# KiCad board CPU.kicad_pcb (continued)
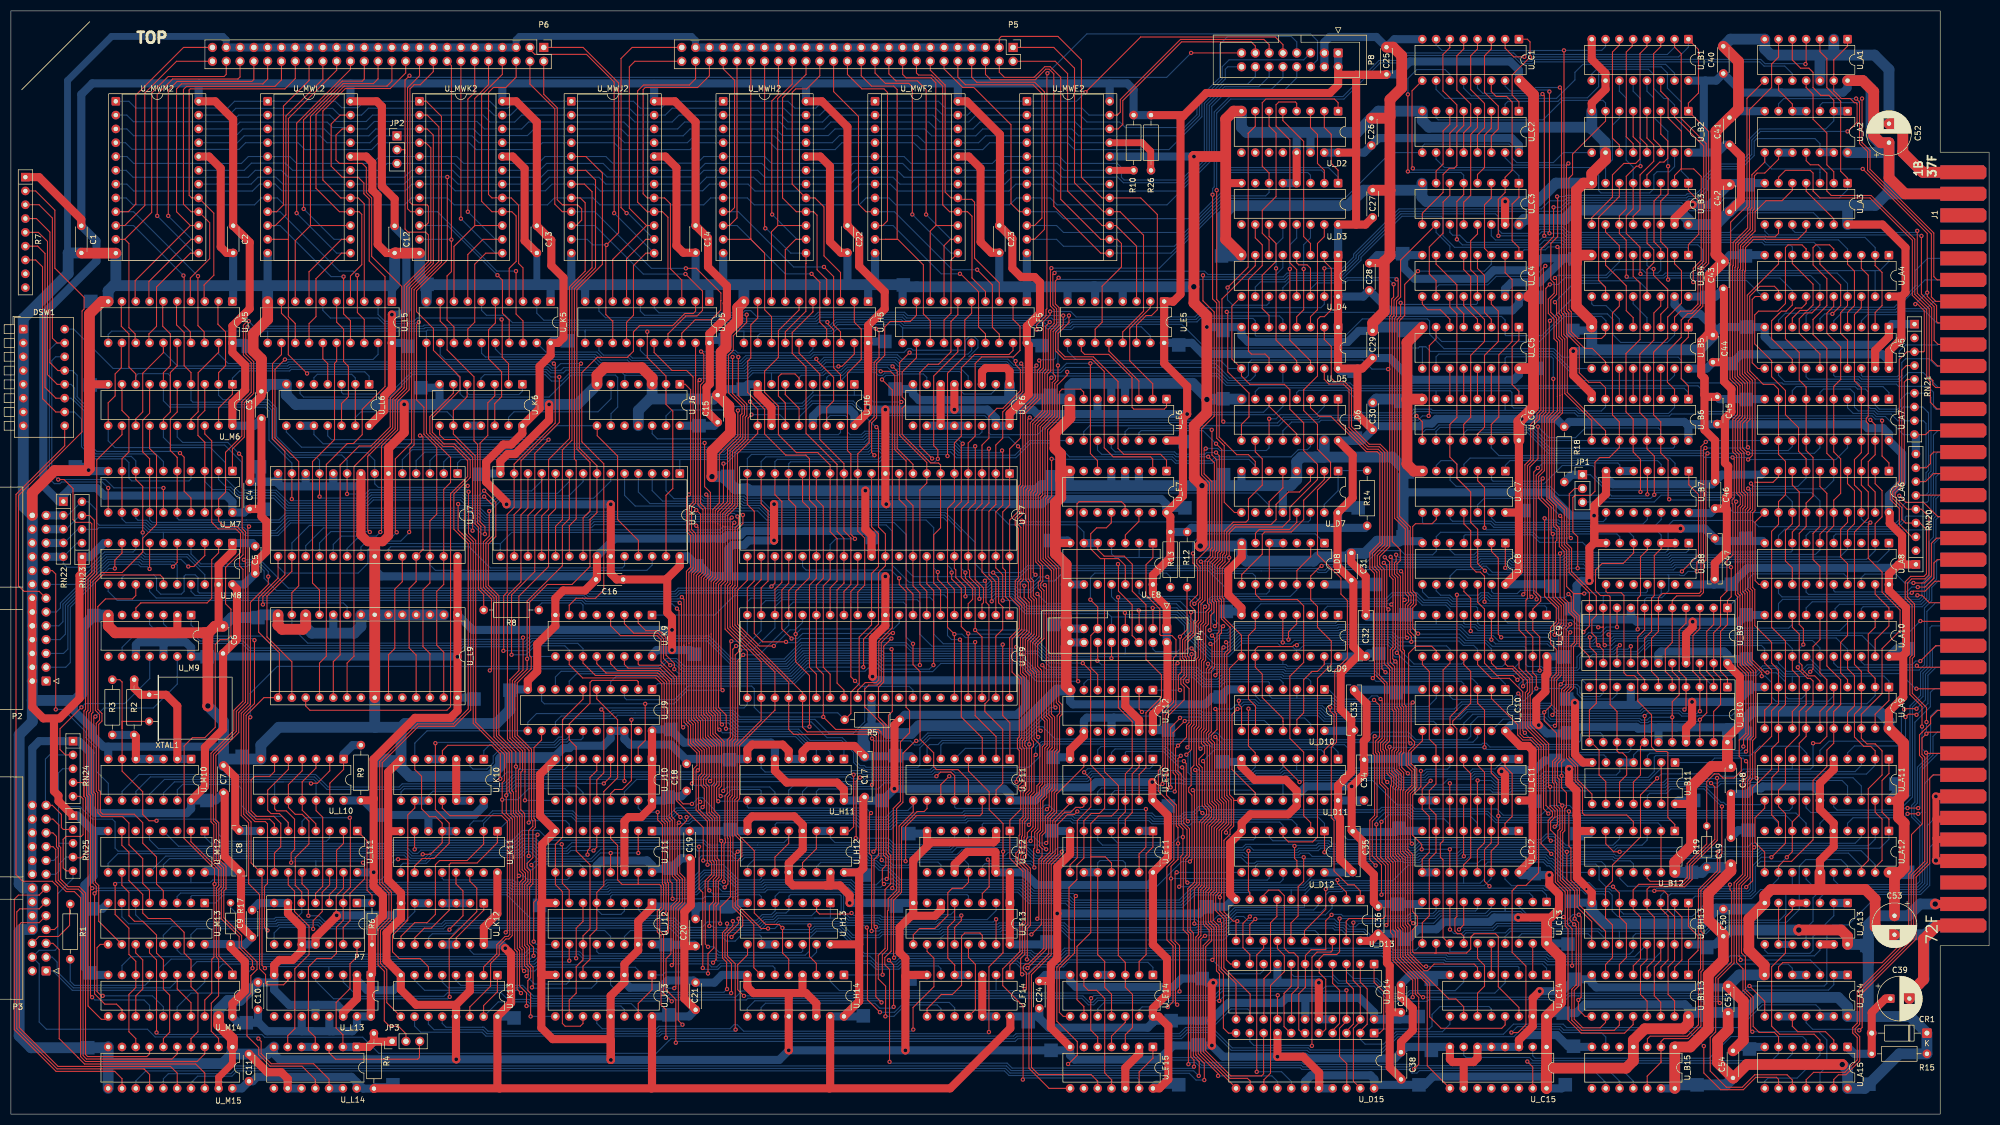
[diagram p0: board, top side]
## Routing (per net, layer and track width the routed paths; a pad name or vN(x,y) marks a point on that pad's centre or on a via; arc(x,y) is an arc through that point) (continued)
FP.RTI: length 53
  Top w0.2: v1(12.98,74.85) 9.04,70.91 9.04,67.09 10.04,66.09 RN24.2 ; P3.25 7.61,56.83 9.29,55.15 9.29,52.74 9.66,52.38 RN25.2
  Bottom w0.2: RN24.2 7.11,66.09 6.36,65.34 6.36,56.95 ; U_M9.11 25.55,80.15 20.93,75.54 13.67,75.54 v1(12.98,74.85)
FP.~{ABT}: length 20.4
  Bottom w0.2: U_M14.7 25.52,24.56 24.66,23.69 11.68,23.69 10.92,24.45 R1.2
FP.~{HALT}: length 32.1
  Bottom w0.2: 35.69,25.07 35.69,24.3 34.17,22.78 11.31,22.78 7.74,26.35 P3.1
FP.~{RUN}: length 37.2
  Top w0.2: 30.6,25.07 30.6,23.04 33.15,20.5 33.15,17.45
  Bottom w0.2: 30.6,25.07 30.6,24.56 29.29,23.24 11.49,23.24 8.51,26.22 8.51,27.97 7.59,28.89 P3.3
MW.A6_{0}: length 150.6
  Top w0.2: v1(184.87,138.56) 184.87,137.86 185.75,136.99 185.75,133.09 182.53,129.87 181.44,129.87 179.96,128.4 179.96,124.38 178.69,123.11 178.69,112.32 177.42,111.06 177.42,98.36 178.96,96.82 178.96,94.11 178.69,93.84 178.69,91.83
  Bottom w0.2: v1(184.87,138.56) 184.07,139.37 176.29,139.37 177.94,141.02 177.94,142.38 177.26,143.05 176.31,143.05 175.63,142.38 175.63,140.56 165.99,140.56 165.67,140.88 165.04,140.88 164.34,140.17 147.62,140.17 147.03,139.57 135.23,139.57 134.22,138.56 132.49,138.56 132.38,138.67 114.18,138.67 113.64,139.2 108.85,139.2 107.83,140.22 98.46,140.22 U_K5.19
MW.A6_{1}: length 150.1
  Top w0.2: v1(185.9,138.11) 186.2,137.81 186.2,132.9 182.5,129.2 182.5,124.38 181.23,123.11 U_F7.2 181.23,112.2 181.23,112.19 179.96,110.92 179.96,99.24 181.23,97.97 U_F9.2
  Bottom w0.2: U_K5.16 89.15,140.77 90.16,139.76 107.59,139.76 108.6,138.75 113.45,138.75 113.99,138.21 132.19,138.21 132.3,138.11 134.41,138.11 135.42,139.12 147.21,139.12 147.81,139.72 163.12,139.72 163.93,138.92 183.45,138.92 184.56,137.81 185.6,137.81 v1(185.9,138.11)
MW.A6_{2}: length 163.7
  Top w0.2: U_F9.1 183.77,94.42 183.01,95.17 183.01,100 182.5,100.51 182.5,110.8 183.77,112.06 183.77,112.07 U_F7.1 183.77,122.4 185.75,124.38 185.75,129.33 188.43,132.01 188.43,137.47 v1(188.71,137.74)
  Bottom w0.2: U_K5.12 78.99,139.75 79.89,138.85 107.15,138.85 108.2,137.8 113.1,137.8 113.6,137.3 131.82,137.3 131.92,137.2 134.78,137.2 135.79,138.21 148.58,138.21 149.61,139.24 162.96,139.24 163.74,138.46 183.27,138.46 184.37,137.36 188.32,137.36 v1(188.71,137.74)
MW.A6_{3}: length 114
  Top w0.2: 150.12,126.8 150.12,129.97 151.39,131.24 151.39,135.56 148.21,138.74 v1(148.21,138.97)
  Bottom w0.2: U_K5.15 86.61,140.01 87.31,139.31 107.4,139.31 108.45,138.25 113.29,138.25 113.79,137.76 132.01,137.76 132.11,137.65 134.6,137.65 135.61,138.67 147.91,138.67 v1(148.21,138.97) ; 178.69,126.66 178.69,125.52 178.18,125.02 161.85,125.02 161.21,125.66 157.11,125.66 156.47,125.02 154.44,125.02 153.95,125.5 153.95,128.19 153.59,128.56 150.73,128.56 150.11,127.94 U_H6.14
MW.A6_{4}: length 113.7
  Top w0.2: v1(150.24,145.73) 150.24,145.47 151.39,144.32 151.39,137.34 152.66,136.07 152.66,134.42
  Bottom w0.2: v1(150.24,145.73) 150,145.97 148.91,145.97 148.37,145.43 134.51,145.43 134.31,145.63 92.3,145.63 90.94,146.99 87.51,146.99 86.61,147.88 U_K5.6 ; U_F6.2 181.23,133.37 180.35,132.5 175.35,132.5 174.88,132.97 174.88,136.37 174.61,136.65 163.26,136.65 162.99,136.37 160.8,136.37 160.8,136.36 160.36,135.92 159.64,135.92 159.04,136.52 154.27,136.52 152.65,134.9
MW.A6_{5}: length 229.9
  Top w0.2: U_K5.9 78.99,145.91 80.27,144.64 80.27,140.62 85.22,135.66 85.22,123.88 85.87,123.22 85.87,108.78 86.47,108.18 86.47,96.77 88.43,94.81 88.43,81.94 v1(88.13,81.64)
  Bottom w0.2: U_D10.2 239.17,79.66 238.67,80.15 233.98,80.15 233.67,80.46 223.03,80.46 222.13,79.55 219.65,79.55 217.89,81.31 189.01,81.31 186.04,84.29 160.63,84.29 160.1,84.81 145.92,84.81 143.04,81.94 123.74,81.94 122.31,83.36 121.65,83.36 121.65,83.37 120.79,83.37 119.36,81.94 88.43,81.94 v1(88.13,81.64)
MW.A6_{6}: length 24.9
  Top w0.2: U_K5.5 89.15,145.59 87.89,144.33 87.89,138.98 90.3,136.58 90.3,132 89.03,130.73 89.03,130.73 U_K6.12
MW.A6_{7}: length 318.5
  Top w0.2: v1(191.15,145.73) 190.42,145 190.42,137.1 189.79,136.48 189.79,129.44 187.57,127.21 187.57,114.99 187.21,114.63 187.21,98.46 187.67,98 187.67,95.2 188.27,94.6 188.27,88.27 187.11,87.11 187.11,81.64 187.82,80.94 187.82,68.89 188.15,68.57 188.15,67.67 187.82,67.35 187.82,59.43 187.17,58.78 187.17,54.37 186.57,53.77 186.57,51.05 186.42,50.91 186.42,48.18 186.3,48.06 186.26,48.06 185.82,47.62 185.82,47 187.58,45.24 187.58,34.72 187.02,34.16 187.02,28.54 v1(186.95,28.46)
  Bottom w0.2: v1(186.95,28.46) 187.39,28.46 187.8,28.05 193.35,28.05 194.43,29.13 252.24,29.13 253.44,27.93 263.55,27.93 263.86,27.63 281.8,27.63 282.56,26.86 U_C14.1 ; v1(191.15,145.73) 190.85,146.03 164.66,146.03 164.06,146.63 148.92,146.63 148.18,145.88 134.7,145.88 134.5,146.08 98.07,146.08 96.77,147.37 U_K5.2
MW.B5_{0}: length 59.3
  Top w0.2: U_F9.5 173.61,96.58 172.34,97.84 172.34,111.43 173.61,112.7 173.61,112.7 U_F7.5 173.61,123.49 174.88,124.77 174.88,137.34 177.32,139.77 183.67,139.77 184.4,140.51 U_F5.19
MW.B5_{1}: length 114.8
  Top w0.2: U_F9.7 168.53,96.19 167.26,97.46 167.26,114.86 168.53,116.12 U_F7.7 168.53,119.91 163.54,124.89 163.54,130.73 v1(163.84,131.03) 163.54,131.33 163.54,138.31 v1(165.36,140.12)
  Bottom w0.2: 155.19,132.28 157.49,132.28 158.73,131.03 v1(163.84,131.03) ; 155.19,132.28 147.72,132.28 145.66,130.22 133.16,130.22 132.5,129.57 121.64,129.57 120.54,128.46 U_J6.13 ; 155.19,132.28 U_H6.1 ; v1(165.36,140.12) 165.66,139.82 176.1,139.82 176.78,140.51 U_F5.16
MW.B5_{2}: length 56.5
  Top w0.2: U_F9.6 171.07,96.45 169.8,97.71 169.8,106.61 171.07,107.87 U_F7.6 171.07,119.44 170.69,119.81 169.27,119.81 164,125.08 164,129.86 164.6,130.46 164.6,131.35 164,131.95 164,136.54 166.62,139.17 U_F5.12
MW.B5_{3}: length 322.8
  Top w0.2: v1(134.75,84.51) 133.73,83.49 133.73,68.78 133.18,68.22 133.18,58.43 132.75,58 132.75,51.22 132.85,51.12 132.85,39.8 132.84,39.79 132.84,38.09 134.65,36.28 134.65,34.64 v1(132.6,32.59) ; U_F7.17 143.13,113.09 144.4,111.81 144.4,97.59 143.13,96.31 U_F9.17 ; U_F5.15 174.24,140.26 169.8,135.81 169.8,122.99 170.56,122.23 v1(170.56,120.57) ; U_F11.13 176.2,61.47 174.28,63.39 170.35,63.39 169.8,63.93 169.8,66.47 167.29,68.99 167.29,81.43 165.99,82.73 v1(165.99,86.54)
  Bottom w0.2: v1(132.6,32.59) 132.3,32.89 123.37,32.89 121.57,34.69 80.2,34.69 79.61,34.11 57.17,34.11 56.45,34.83 49.28,34.83 49.01,34.57 29.69,34.57 28.05,32.92 U_M13.13 ; v1(165.99,86.54) 164.72,87.81 164.72,93.72 164.23,94.21 143.94,94.21 143.13,93.39 U_F9.17 143.13,89.96 137.67,84.51 v1(134.75,84.51) ; U_F7.17 143.13,119.68 143.47,120.03 159.85,120.03 160.31,120.48 168.63,120.48 168.76,120.35 168.76,120.32 169.2,119.88 169.87,119.88 v1(170.56,120.57)
MW.B5_{4}: length 326.1
  Top w0.2: v1(169.51,120.63) 167.26,122.88 167.26,136.45 168.79,137.97 170.69,137.97 172.98,140.26 172.98,145.85 174.24,147.11 U_F5.6 ; U_F11.1 183.82,72.01 182.5,73.33 v1(182.5,86.4) ; v1(130.52,35.06) 130.52,38.11 132.4,39.99 132.4,50.93 132.29,51.03 132.29,58.19 132.72,58.62 132.72,68.49 133.28,69.05 133.28,84.49 v1(134.19,85.4) ; U_F9.18 140.59,96.57 141.86,97.84 141.86,112.7 140.59,113.97 U_F7.18
  Bottom w0.2: v1(169.51,120.63) 169.21,120.93 160.12,120.93 159.67,120.48 141,120.48 140.59,120.06 U_F7.18 ; v1(182.5,86.4) 182.2,86.1 169.47,86.1 167.26,88.32 167.26,94.16 166.76,94.66 141.88,94.66 140.59,93.37 U_F9.18 140.59,89.45 136.59,85.46 134.25,85.46 v1(134.19,85.4) ; U_M13.1 37.61,38.85 39.14,40.37 91.25,40.37 95.57,36.06 122.13,36.06 123.85,34.34 127.13,34.34 128.15,35.36 130.22,35.36 v1(130.52,35.06)
MW.B5_{5}: length 311.9
  Top w0.2: v1(158.89,121.23) 158.37,121.75 158.37,127.17 159.29,128.09 159.29,138.12 160.78,139.62 160.78,144.83 161.8,145.85 165.48,145.85 166.62,146.99 U_F5.9 ; v1(131.34,41.73) 131.95,42.34 131.95,50.74 131.84,50.85 131.84,58.37 132.27,58.8 132.27,68.68 132.83,69.23 132.83,85.52 v1(133.45,86.14) ; v1(177.42,86.86) 177.42,73.33 181.28,69.47 181.28,65.34 ; U_F7.19 138.05,112.32 139.32,111.05 139.32,98.09 138.05,96.82 U_F9.19
  Bottom w0.2: U_M13.2 33.12,40.03 33.32,40.23 38.35,40.23 38.95,40.83 91.44,40.83 91.83,40.44 110.1,40.44 110.49,40.83 126.03,40.83 127.58,42.38 130.52,42.38 131.2,41.7 131.31,41.7 v1(131.34,41.73) ; v1(133.45,86.14) 133.87,86.14 133.88,86.15 134.5,86.15 134.51,86.14 135.24,86.14 138.05,88.95 U_F9.19 138.05,93.65 138.89,94.49 141.06,94.49 141.69,95.12 169.1,95.12 169.8,94.41 169.8,88.32 171.56,86.56 177.19,86.56 177.42,86.79 v1(177.42,86.86) ; U_F7.19 138.05,120.06 138.92,120.93 158.59,120.93 v1(158.89,121.23)
MW.B5_{6}: length 326.3
  Top w0.2: v1(132.57,87.02) 132.37,86.83 132.37,69.42 131.81,68.86 131.81,58.99 131.39,58.56 131.39,50.66 131.47,50.57 131.47,49.95 131.21,49.69 131.21,42.79 v1(131.19,42.77) ; U_F5.5 176.78,147.37 175.52,146.1 175.52,139.5 172.34,136.32 v1(172.34,121.09) ; v1(174.63,87.31) 174.88,87.06 174.88,73.08 178.74,69.22 U_F11.3 ; U_F9.20 135.51,96.82 136.78,98.09 136.78,110.92 135.51,112.2 U_F7.20
  Bottom w0.2: v1(131.19,42.77) 131.13,42.83 127.39,42.83 125.84,41.28 110.31,41.28 109.92,40.89 92.02,40.89 91.63,41.28 38.76,41.28 38.16,40.68 31.23,40.68 30.59,40.03 U_M13.3 ; v1(132.57,87.02) 134.22,87.02 135.51,88.31 U_F9.20 135.51,94.28 136.17,94.94 140.87,94.94 141.5,95.57 171.69,95.57 172.34,94.92 172.34,88.06 173.09,87.31 v1(174.63,87.31) ; v1(172.34,121.09) 172.04,121.39 160.35,121.39 159.72,122.01 158.6,122.01 157.98,121.39 136.27,121.39 135.51,120.62 U_F7.20
MW.B5_{7}: length 67.3
  Top w0.2: U_F5.2 184.4,146.23 185.68,144.96 185.68,140.51 184.48,139.32 178.64,139.32 177.42,138.1 177.42,124.77 176.15,123.49 U_F7.4 176.15,112.58 176.15,112.57 174.88,111.3 174.88,98.72 176.97,96.64 176.97,94.73 176.15,93.91 U_F9.4
MW.C4_{0}: length 77
  Top w0.2: v1(152.28,137.58) 152.9,137.58 155.19,139.88 U_H5.19
  Bottom w0.2: 113.16,135.94 112.97,135.94 112.97,134.29 ; 113.16,135.94 112.96,135.94 112.46,136.44 102.89,136.44 101.34,134.89 99.49,134.89 98.31,136.07 87.14,136.07 86.5,135.42 86.5,134.29 ; 113.16,135.94 131.25,135.94 131.36,135.84 135.35,135.84 136.36,136.85 149.14,136.85 149.8,137.51 152.21,137.51 v1(152.28,137.58)
MW.C4_{1}: length 199.8
  Top w0.2: U_K13.1 89.52,22.51 86.98,19.97 86.98,17.95 ; v1(127,140.33) 127.49,139.84 127.49,134.77 126.89,134.17 126.89,112.4 127.8,111.5 127.8,99.53 127.03,98.75 127.03,87.6 127.03,87.6 127.03,73.45 127.8,72.67 127.8,69.4 129.41,67.79 129.41,60.94 128.95,60.47 128.95,55.66 129.96,54.64 129.96,47.11 130.31,46.77 130.31,43.59 129.72,43.01 129.72,38.91 129.31,38.5 129.31,30.56 128.27,29.52 v1(128.27,25.89) ; U_J13.1 117.97,22.9 115.43,20.36 U_J13.15
  Bottom w0.2: U_J13.15 115.43,19.07 114.15,20.35 95.49,20.35 95.19,20.65 89.69,20.65 86.98,17.95 ; U_H5.16 147.57,140.76 146.88,140.07 133.75,140.07 133.3,140.52 132.21,140.52 131.95,140.26 127.07,140.26 v1(127,140.33) ; U_J13.1 119.91,25.6 120.44,26.14 128.02,26.14 v1(128.27,25.89)
MW.C4_{2}: length 79.2
  Top w0.2: v1(159.14,144.52) 159.74,143.91 159.74,139.22 158.84,138.31 158.84,128.28 157.92,127.36 157.92,123.57 155.83,121.48 U_F7.12 155.83,107.27 157.1,105.99 157.1,97.33 155.83,96.06 U_F9.12
  Bottom w0.2: v1(159.14,144.52) 152.02,144.52 151.12,143.62 137.85,143.62 137.41,143.18 U_H5.12
MW.C4_{3}: length 54.5
  Top w0.2: U_F9.13 153.29,96.19 154.56,97.46 154.56,106.05 153.29,107.32 U_F7.13 153.29,119.69 148.85,124.13 148.85,136.19 145.03,140.01 U_H5.15
MW.C4_{4}: length 68.7
  Top w0.2: U_H5.6 145.03,147.98 141.23,144.17 141.23,139.24 138.69,136.7 138.69,132.82 141.23,130.28 141.23,125.02 144.53,121.72 148.47,121.72 150.75,119.44 U_F7.14 150.75,107.17 152.02,105.89 152.02,98.09 150.75,96.82 U_F9.14
MW.C4_{5}: length 82.1
  Top w0.2: U_H5.9 137.41,146.49 136.15,145.22 136.15,139.12 135.59,138.55 135.59,132.79 138.69,129.69 138.69,125.15 142.57,121.26 146.25,121.26 146.94,120.57 146.94,112.95 148.21,111.69 U_F7.26 148.21,98.61 148.21,98.6 146.94,97.33 146.94,82.22 148.21,80.96 U_F9.26
MW.C4_{6}: length 79.5
  Top w0.2: U_F9.28 153.29,78.03 152.02,79.3 152.02,96.44 153.29,97.71 153.29,97.72 U_F7.28 153.29,105.95 152.02,107.21 152.02,119.56 146.31,125.27 146.31,137.47 143.77,140 143.77,143.81 147.58,147.62 147.57,147.63 U_H5.5
MW.C4_{7}: length 80.1
  Top w0.2: U_F9.27 150.75,80.96 149.48,82.22 149.48,97.21 150.75,98.47 U_F7.27 ; U_H5.2 155.19,145.72 156.47,144.45 156.47,138.86 153.93,136.32 153.93,122.11 154.56,121.47 154.56,106.69 155.32,105.93 v1(155.32,105.85)
  Bottom w0.2: U_F7.27 150.75,104.8 151.8,105.85 v1(155.32,105.85)
MW.D3_{0}: length 153.5
  Top w0.2: v1(50.42,138.86) 48.6,137.04 48.6,124.43 52.96,120.07 52.96,97.21 51.71,95.95 U_L9.13 ; v1(94.24,87.69) 94.24,81.71 92.28,79.75 92.28,69.36 94.6,67.04 94.6,63.03 94.59,63.01 v1(94.59,57.75)
  Bottom w0.2: v1(94.24,87.69) 93.91,87.36 82.71,87.36 82.01,86.67 54.61,86.67 51.69,89.59 51.71,89.6 U_L9.13 ; U_J10.9 94.62,57.72 v1(94.59,57.75) ; U_L5.19 67.56,139.79 66.64,138.86 v1(50.42,138.86)
MW.D3_{1}: length 52.4
  Top w0.2: U_L9.11 56.79,96.43 55.5,97.71 55.5,120.07 59.55,124.12 59.55,138.14 59.94,138.53 U_L5.16
MW.D3_{2}: length 68.8
  Top w0.2: v1(46.37,93.77) 46.37,95.18 50.42,99.24 50.42,121.96 48.15,124.24 48.15,138.11 49.78,139.75 U_L5.12
  Bottom w0.2: v1(46.37,93.77) 46.67,94.07 61.18,94.07 61.87,93.38 61.87,91.88
MW.D3_{3}: length 8
  Top w0.2: U_L5.15 57.4,138.99 58.3,138.09 U_L6.4
MW.D3_{4}: length 137.9
  Top w0.2: U_L9.26 77.11,84.75 75.82,86.03 75.82,96.44 77.11,97.73 U_J7.26 77.11,109.16 78.36,110.41 78.36,122.73 76,125.09 76,130.05 74.64,131.41 74.64,145.31 v1(75.06,145.73)
  Bottom w0.2: U_K7.26 118,101.03 117.02,100.05 78.11,100.05 77.11,101.05 U_J7.26 ; v1(75.06,145.73) 74.85,145.94 74.34,145.43 68.61,145.43 67.56,146.48 58.8,146.48 57.4,147.88 U_L5.6
MW.D3_{5}: length 28.6
  Top w0.2: v1(54.5,136.28) 51.05,139.73 51.05,146.1 49.78,147.37 U_L5.9
  Bottom w0.2: v1(54.5,136.28) 54.8,136.58 65.12,136.58 65.92,135.78 U_L6.1
MW.D3_{6}: length 24.3
  Top w0.2: U_L5.5 59.94,145.72 61.22,144.45 61.22,138.48 62.11,137.59 62.11,132 60.84,130.74 60.84,126.66
MW.D3_{7}: length 38.5
  Top w0.2: 91.58,134.29 91.58,138.09 90.41,139.26 90.41,146.12 v1(90.3,146.23)
  Bottom w0.2: U_L5.2 67.56,147.12 68.8,145.88 74.15,145.88 74.75,146.48 90.04,146.48 v1(90.3,146.23)
MW.E2_{0}: length 229.9
  Top w0.2: 105.27,84.21 105.27,83 107.55,80.72 118.84,80.72 120.22,79.34 120.22,54.22 120.8,53.64 120.8,42.73 121,42.53 121,33.79 v1(120.7,33.49) ; U_M6.17 33.15,127.94 34.46,129.25 34.46,136.43 38.23,140.19 U_M5.19 ; v1(90.62,85.25) 90.66,85.25 90.68,85.27 90.68,95.38 91.32,96.02 91.32,110.37 92.6,111.65 U_K7.13 92.6,119.6 100.16,127.16 100.16,137.85 v1(99.91,138.1)
  Bottom w0.2: U_M5.19 38.23,139.88 40,138.11 50.73,138.11 51.03,138.4 99.61,138.4 v1(99.91,138.1) ; v1(120.7,33.49) 120.4,33.79 114,33.79 112.89,32.68 U_J12.14 ; 105.27,84.21 105.27,85.66 104.31,86.63 96.23,86.63 94.88,85.28 90.65,85.28 v1(90.62,85.25)
MW.E2_{1}: length 217.1
  Top w0.2: U_K7.11 97.68,111.38 96.4,110.1 96.4,99.82 92.12,95.54 v1(92.12,84.52) ; U_K9.10 102.73,82.74 105.21,80.26 118.65,80.26 119.76,79.15 119.76,54.03 120.34,53.45 120.34,42.54 120.54,42.34 120.54,37.21 v1(120.15,36.81) ; U_M6.15 28.06,127.94 29.34,129.21 29.34,136.45 30.6,137.71 30.6,141.91
  Bottom w0.2: U_J12.2 115.43,37.66 116.58,36.51 119.85,36.51 v1(120.15,36.81) ; v1(92.12,84.52) 94.77,84.52 96.42,86.18 101.92,86.18 102.73,85.37 U_K9.10 ; U_K7.11 97.68,116.53 95.83,114.67 89.99,114.67 88.18,112.87 83.52,112.87 82.92,113.47 66.52,113.47 65.47,112.41 51.24,112.41 48.85,114.8 43,114.8 42.45,115.35 42.45,120 39.35,123.1 29.48,123.1 28.06,124.52 U_M6.15
MW.E2_{2}: length 198.3
  Top w0.2: v1(95.28,53.65) 95.34,53.71 95.34,66.94 92.73,69.55 92.73,79.56 94.99,81.82 94.99,94.4 101.48,100.89 101.48,108.25 102.76,109.54 U_K7.9 ; 20.32,141.9 20.32,137.34 19.18,136.19 19.18,132.16 17.91,130.88 U_M6.11
  Bottom w0.2: U_K9.9 95.43,84.21 v1(94.99,83.77) ; v1(95.28,53.65) 95.63,54 102.07,54 102.73,53.34 U_J11.7 ; U_M6.11 17.91,123.88 19.14,122.65 36.7,122.65 39.45,119.9 39.45,117 42.1,114.35 48.66,114.35 51.05,111.96 65.66,111.96 66.71,113.01 82.74,113.01 83.34,112.41 88.37,112.41 90.18,114.22 100.58,114.22 102.76,116.4 U_K7.9
MW.E2_{3}: length 214.4
  Top w0.2: U_M5.15 28.06,140.13 24.26,136.32 24.26,129.21 22.98,127.94 U_M6.13 ; v1(95.28,47.5) 95.28,52.19 96.04,52.94 96.04,53.97 95.8,54.21 95.8,67.13 93.19,69.74 93.19,79.38 95.75,81.94 95.75,84.08 95.44,84.38 95.44,94.22 98.69,97.46 103.25,97.46 106.56,100.76 106.56,109.4 107.84,110.68 U_K7.7 107.84,119.3 104.6,122.55 104.6,137.8 v1(104.9,138.1)
  Bottom w0.2: U_M5.15 28.06,140.26 30.67,137.65 50.92,137.65 51.21,137.95 99,137.95 99.64,137.3 100.35,137.3 101.15,138.1 v1(104.9,138.1) ; v1(95.28,47.5) 94.99,47.21 94.99,45.55 95.59,44.95 95.95,44.95 97.04,46.04 104.66,46.04 105.27,45.43 105.27,44.47
MW.E2_{4}: length 222.7
  Top w0.2: v1(51.7,113.17) 51.71,113.17 U_J7.13 ; 27.94,149.52 27.94,144.96 29.34,143.56 29.34,137.72 28.06,136.44 U_M6.6 ; v1(94.88,19.9) 94.87,19.91 94.87,22.33 93.6,23.6 93.6,30.07 93.17,30.49 93.17,43.55 v1(93.47,43.85) 93.17,44.16 93.17,54.66 92.47,55.36 92.47,59.23 92.17,59.54 92.17,66.77 89.34,69.6 89.34,95.19 87.4,97.13 87.4,105.11 88.77,106.48 88.77,111.94 v1(87.08,113.62)
  Bottom w0.2: U_M6.6 28.06,131.25 29.23,130.08 44.92,130.08 ; v1(94.88,19.9) 112.23,19.9 112.89,19.24 U_J13.14 ; U_J7.13 51.71,119.8 47.5,124 47.5,129.39 46.82,130.07 44.63,130.07 ; U_J11.10 102.73,43.47 102.42,43.16 95.04,43.16 94.35,43.85 v1(93.47,43.85) ; v1(87.08,113.62) 86.78,113.32 83.71,113.32 83.11,113.92 66.33,113.92 65.28,112.87 52,112.87 v1(51.7,113.17)
MW.E2_{5}: length 229.6
  Top w0.2: v1(56.8,113.62) 56.79,113.64 U_J7.11 ; 20.32,149.52 20.32,144.96 21.72,143.56 21.72,137.47 22.98,136.2 U_M6.8 ; v1(94.43,26.34) 94.06,26.71 94.06,30.26 93.63,30.68 93.63,42.64 94.23,43.24 94.23,44.16 93.62,44.77 93.62,54.85 92.93,55.54 92.93,59.42 92.92,59.43 v1(92.92,63.95) 92.92,66.66 89.79,69.79 89.79,95.38 87.85,97.32 87.85,104.92 89.22,106.29 89.22,112.57 v1(87.08,114.71)
  Bottom w0.2: v1(56.8,113.62) 57.07,113.35 65.12,113.35 66.15,114.38 83.3,114.38 83.9,113.78 86.15,113.78 v1(87.08,114.71) ; U_J7.11 56.79,120.31 56.26,120.83 51.45,120.83 47.99,124.29 47.99,129.55 47,130.54 29.42,130.54 29.34,130.61 29.34,135.81 28.91,136.25 23.42,136.25 22.98,135.81 U_M6.8 ; v1(94.43,26.34) 96.4,26.34 97.08,27.03 114.89,27.03 115.43,26.48 U_J13.2 ; U_J10.7 102.73,64.3 101.84,63.41 93.47,63.41 v1(92.92,63.95)
MW.E2_{6}: length 205
  Top w0.2: 30.48,149.52 30.48,145.22 31.88,143.82 31.88,137.72 33.15,136.45 U_M6.4 ; v1(84.21,114.53) 84.2,114.52 84.2,106.86 85.52,105.54 85.52,72.11 91.26,66.37 91.26,58.77 v1(91.15,58.66) 91.15,55.39 92.26,54.28 92.26,32.86 91.63,32.24 91.11,32.24 89.86,30.99 89.86,29.32 88.27,27.73 88.27,23.55 84.44,19.72 U_K13.14 ; v1(61.85,114.1) 61.87,114.12 61.87,117.87
  Bottom w0.2: 105.27,57.72 105.27,59.18 104.07,60.38 93.03,60.38 91.3,58.66 v1(91.15,58.66) ; v1(84.21,114.53) 83.88,114.87 66,114.87 65.23,114.1 v1(61.85,114.1) ; U_M6.4 33.15,131.34 33.49,130.99 47.19,130.99 48.44,129.73 48.44,124.48 51.64,121.28 60.89,121.28 61.87,120.31 61.87,117.87
MW.E2_{7}: length 188.4
  Top w0.2: 86.98,25.57 86.98,27.09 89.4,29.51 89.4,31.17 90.92,32.69 91.44,32.69 91.81,33.05 91.81,54.09 90.4,55.5 v1(90.4,57.86) 90.4,60.98 90.81,61.39 90.81,66.19 85.07,71.92 85.07,105.35 83.46,106.96 83.46,115.29 83.75,115.58 84.04,115.58 v1(84.05,115.6) ; U_M6.2 38.23,136.44 39.5,137.72 39.5,143.94 38.1,145.34 38.1,149.52
  Bottom w0.2: v1(84.05,115.6) 84.04,115.58 83.75,115.58 83.49,115.32 67.61,115.32 66.95,115.99 U_J7.7 66.95,120.31 65.52,121.74 51.83,121.74 48.9,124.67 48.9,129.92 47.37,131.45 39.04,131.45 38.23,132.26 U_M6.2 ; v1(90.4,57.86) 93.24,57.86 95.32,59.93 101.92,59.93 102.73,59.12 U_J10.10
MW.F1_{0}: length 163.2
  Top w0.2: U_J5.19 125.98,112.44 125.24,111.7 125.24,107.59 125.98,106.85 125.98,100.28 125.21,99.5 125.21,86.85 125.21,86.85 125.21,72.69 125.99,71.92 125.99,68.65 127.59,67.04 127.59,62.55 126.98,61.94 126.98,60.51 127.58,59.91 127.58,56.79 v1(127.28,56.49) ; 86.98,52.06 86.98,49.72 87,49.71 83.95,46.66 78.87,46.66 78.11,45.9 78.11,36.75 76.58,35.23 74.3,35.23 71.78,32.72 U_K12.8
  Bottom w0.2: v1(127.28,56.49) 126.67,55.88 122.62,55.88 121.1,54.35 104.19,54.35 103.24,55.3 88.78,55.3 86.98,53.5 86.98,52.06
MW.F1_{1}: length 184.6
  Top w0.2: v1(128.27,30.78) 127.76,31.29 127.76,39.1 127.76,39.1 127.76,42.97 128.94,44.16 128.94,46.2 128.6,46.55 128.6,54.08 126.53,56.15 126.53,57.16 v1(126.83,57.46) 126.53,57.75 126.53,62.13 127.14,62.74 127.14,66.85 125.53,68.46 125.53,71.73 124.76,72.51 124.76,86.66 124.75,86.66 124.75,99.69 125.53,100.47 125.53,106.66 124.79,107.4 124.79,111.89 125.53,112.63 125.53,135.64 124.34,136.83 121.67,136.83 118.36,140.13 U_J5.16
  Bottom w0.2: v1(126.83,57.46) 125.71,56.33 122.44,56.33 120.91,54.81 104.38,54.81 103.39,55.8 88.64,55.8 86.78,53.94 85.13,53.94 84.44,53.25 84.44,52.58 ; v1(128.27,30.78) 129.32,30.78 130.36,29.75 145.45,29.75 145.71,30.01 U_H13.12
MW.F1_{2}: length 124.5
  Top w0.2: v1(132.8,139.32) 132.8,132.6 134.98,130.42 134.98,128.7 134.68,128.4 134.68,124.46 132.32,122.1 132.32,112.49 130.53,110.7 130.53,108.42 130.52,108.42 130.52,98.4 129.75,97.63 129.75,74.57 130.52,73.8 130.52,71.99 v1(130.82,71.69)
  Bottom w0.2: v1(132.8,139.32) 132.6,139.12 114.37,139.12 113.83,139.66 109.03,139.66 108.2,140.49 U_J5.12 ; v1(130.82,71.69) 131.12,71.99 132.03,71.99 133.65,70.37 144.76,70.37 146.83,68.3 152.66,68.3 153.29,67.67 U_H11.1
MW.F1_{3}: length 114.4
  Top w0.2: v1(131.57,70.92) 131.62,70.96 131.62,73.41 130.21,74.83 130.21,97.44 130.98,98.21 130.98,108.23 130.98,108.23 130.98,110.51 132.77,112.3 132.77,121.91 135.13,124.27 135.13,128.21 135.43,128.51 135.43,130.61 133.85,132.19 v1(133.85,139.32)
  Bottom w0.2: v1(131.57,70.92) 132.46,70.92 133.46,69.92 144.58,69.92 146.64,67.85 149.5,67.85 150.75,66.6 U_H11.2 ; v1(133.85,139.32) 133.55,139.62 133.55,139.63 133.11,140.07 132.4,140.07 131.91,139.57 116.77,139.57 115.82,140.52 U_J5.15
MW.F1_{4}: length 124.1
  Top w0.2: v1(130.37,70.74) 130.07,71.04 130.07,73.61 129.3,74.39 129.3,97.82 130.07,98.59 130.07,108.6 130.07,108.61 130.07,110.89 131.86,112.68 131.86,122.29 134.22,124.65 134.22,128.59 134.52,128.89 134.52,130.24 132.04,132.72 132.04,139.63 132.92,140.51 132.92,143.23 135.39,145.7 v1(135.39,147.09)
  Bottom w0.2: v1(130.37,70.74) 130.94,70.16 132.57,70.16 133.27,69.46 144.39,69.46 146.45,67.4 147.8,67.4 148.21,66.99 U_H11.3 ; U_J5.6 115.82,147.75 116.59,146.99 135.28,146.99 v1(135.39,147.09)
MW.F1_{5}: length 134.5
  Top w0.2: U_E7.1 212.64,120.31 211.54,121.41 204.78,121.41 203.71,122.48 203.71,134.8 199.16,139.35 193.96,139.35 192.69,140.62 192.69,143.64 194.69,145.64 v1(194.69,146.94)
  Bottom w0.2: v1(194.69,146.94) 194.69,146.93 193.95,146.18 191.79,146.18 191.49,146.48 164.85,146.48 164.25,147.09 148.74,147.09 147.99,146.34 134.89,146.34 134.69,146.54 109.42,146.54 108.2,147.75 U_J5.9
MW.F1_{6}: length 121.6
  Top w0.2: v1(193.63,146.94) 193.63,145.23 192.24,143.83 192.24,140.43 193.77,138.9 198.94,138.9 201.17,136.67 201.17,122.61 202.82,120.95 209.68,120.95 210.1,120.54 U_E7.2
  Bottom w0.2: v1(193.63,146.94) 165.04,146.94 164.44,147.54 148.55,147.54 147.8,146.79 137.18,146.79 136.13,147.85 135.07,147.85 134.67,147.44 119.26,147.44 118.36,148.34 U_J5.5
MW.F1_{7}: length 80.5
  Top w0.2: U_K9.7 102.73,93.66 102.76,93.66 104.02,94.92 107.57,94.92 109.1,96.44 109.1,119.66 105.05,123.7 105.05,136.43 107.87,139.25 113.42,139.25 114.56,140.39 114.56,143.94 115.7,145.08 121.78,145.08 124.02,147.32 125.55,147.32 125.99,147.75 125.99,148.13 125.98,148.14 U_J5.2
MW.H0_{4}: length 26.4
  Top w0.2: U_E5.10 196.97,140.4 197.56,139.8 202,139.8 206.3,135.51 206.3,130.05 206.63,129.72 212.22,129.72 212.64,130.14 U_E6.1
MW.H0_{5}: length 21.3
  Top w0.2: U_E6.2 210.1,134.38 205.87,138.61 205.87,144.57 209.66,148.36 209.66,149.53
MW.H0_{6}: length 12.6
  Top w0.2: 202.04,141.91 202.04,140.4 207.56,134.89 U_E6.3
MW.H0_{7}: length 245.4
  Top w0.2: v1(192.66,137.74) 192.66,135.01 192.06,134.41 192.06,128.5 189.84,126.27 189.84,113.97 189.48,113.61 189.48,101.98 191.45,100.01 191.45,73.64 192.05,73.04 192.05,67.25 191.6,66.79 191.6,60.01 191.05,59.47 191.05,56.51 v1(190.64,56.1) ; U_K12.9 74.32,32.46 76.08,34.21 77.35,34.21 80.65,37.52 80.65,45.9 80.96,46.21 85.78,46.21 89.54,49.96 89.52,49.98 U_K11.1
  Bottom w0.2: U_K11.1 92.27,54.8 103.1,54.8 104,53.9 121.29,53.9 122.81,55.42 155.99,55.42 157.22,54.19 161.18,54.19 162.41,55.42 175.02,55.42 175.4,55.8 190.34,55.8 v1(190.64,56.1) ; 209.66,141.91 209.66,143.19 207.99,144.87 195.63,144.87 195.13,144.37 193.24,144.37 192.66,143.79 v1(192.66,137.74)
MWS.A_{0}: length 312.9
  Top w0.2: U_K7.18 97.68,110.03 98.95,111.3 98.95,120.46 102.78,124.29 102.78,152.23 105.67,155.12 105.67,167.69 104.78,168.58 U_MWJ2.8
  Bottom w0.2: 131.07,168.58 135.51,168.58 136.78,167.31 156.09,167.31 157.36,168.58 U_MWF2.8 161.57,168.58 162.84,167.31 183.77,167.31 185.04,168.58 U_MWE2.8 191.24,168.58 192.51,167.31 212.73,167.31 220.96,175.54 220.96,185.41 223.69,188.14 234.05,188.14 236.6,190.69 P8.8 ; U_MWM2.8 21.21,168.58 22.48,167.31 44.83,167.31 46.1,168.58 U_MWL2.8 49.03,168.58 50.3,167.31 72.42,167.31 73.69,168.58 U_MWK2.8 80.29,168.58 81.56,167.31 98.73,167.31 100,168.58 U_MWJ2.8 107.11,168.58 108.38,167.31 127.49,167.31 128.76,168.58 U_MWH2.8